# Altium PCB 1EPT0N.pcbdoc
Units mil, origin at the board's own origin, x right, y up, seen from the top; angles counter-clockwise.
Board outline 866.14 x 1328.1 mil, 4 copper layers (Top Layer, Mid-Layer 1, Mid-Layer 2, Bottom Layer), stack 63.233 mil thick; 78 components, 56 nets, 189 pads, 136 vias.
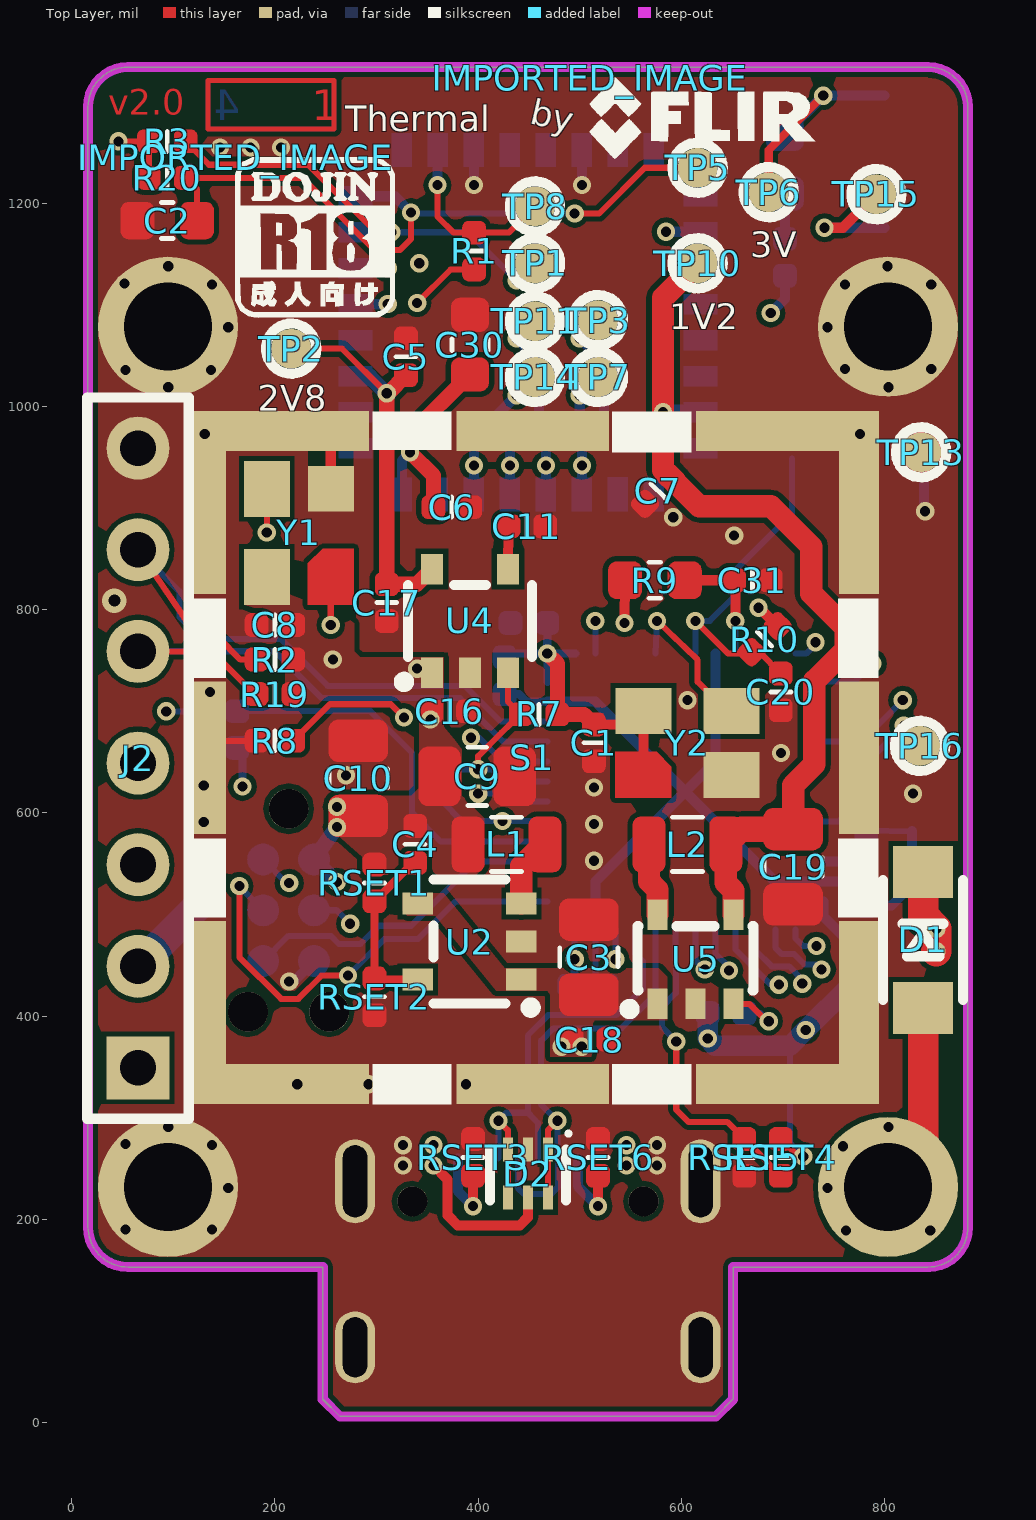
[diagram p0: Top Layer view]
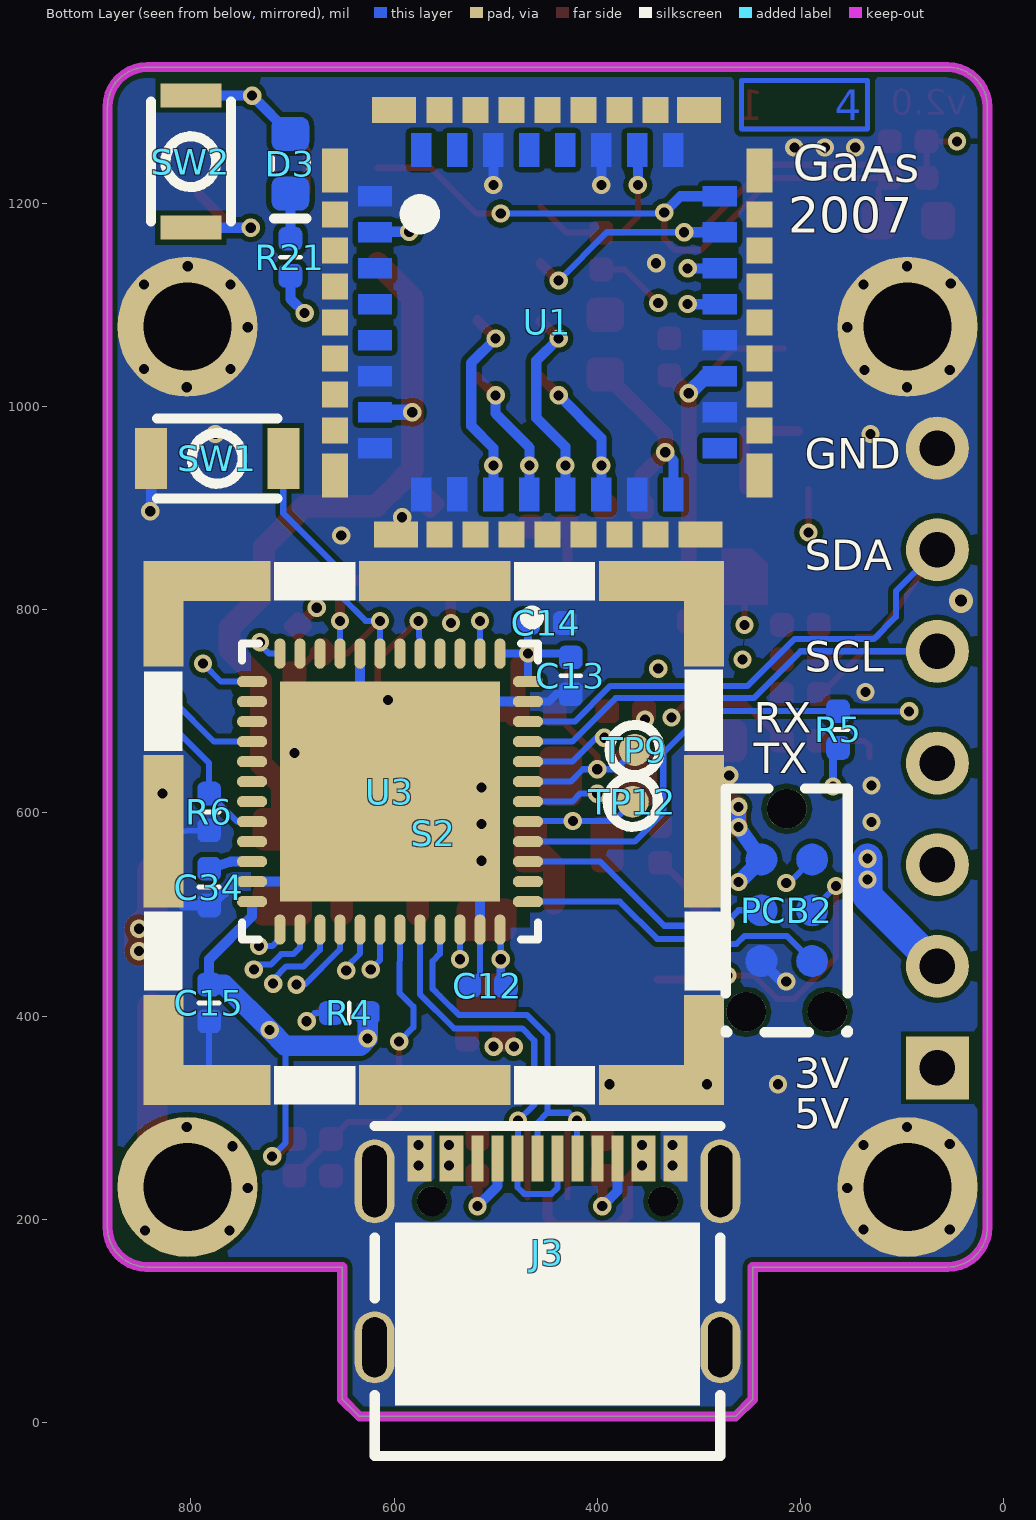
[diagram p1: Bottom Layer view, seen from below]
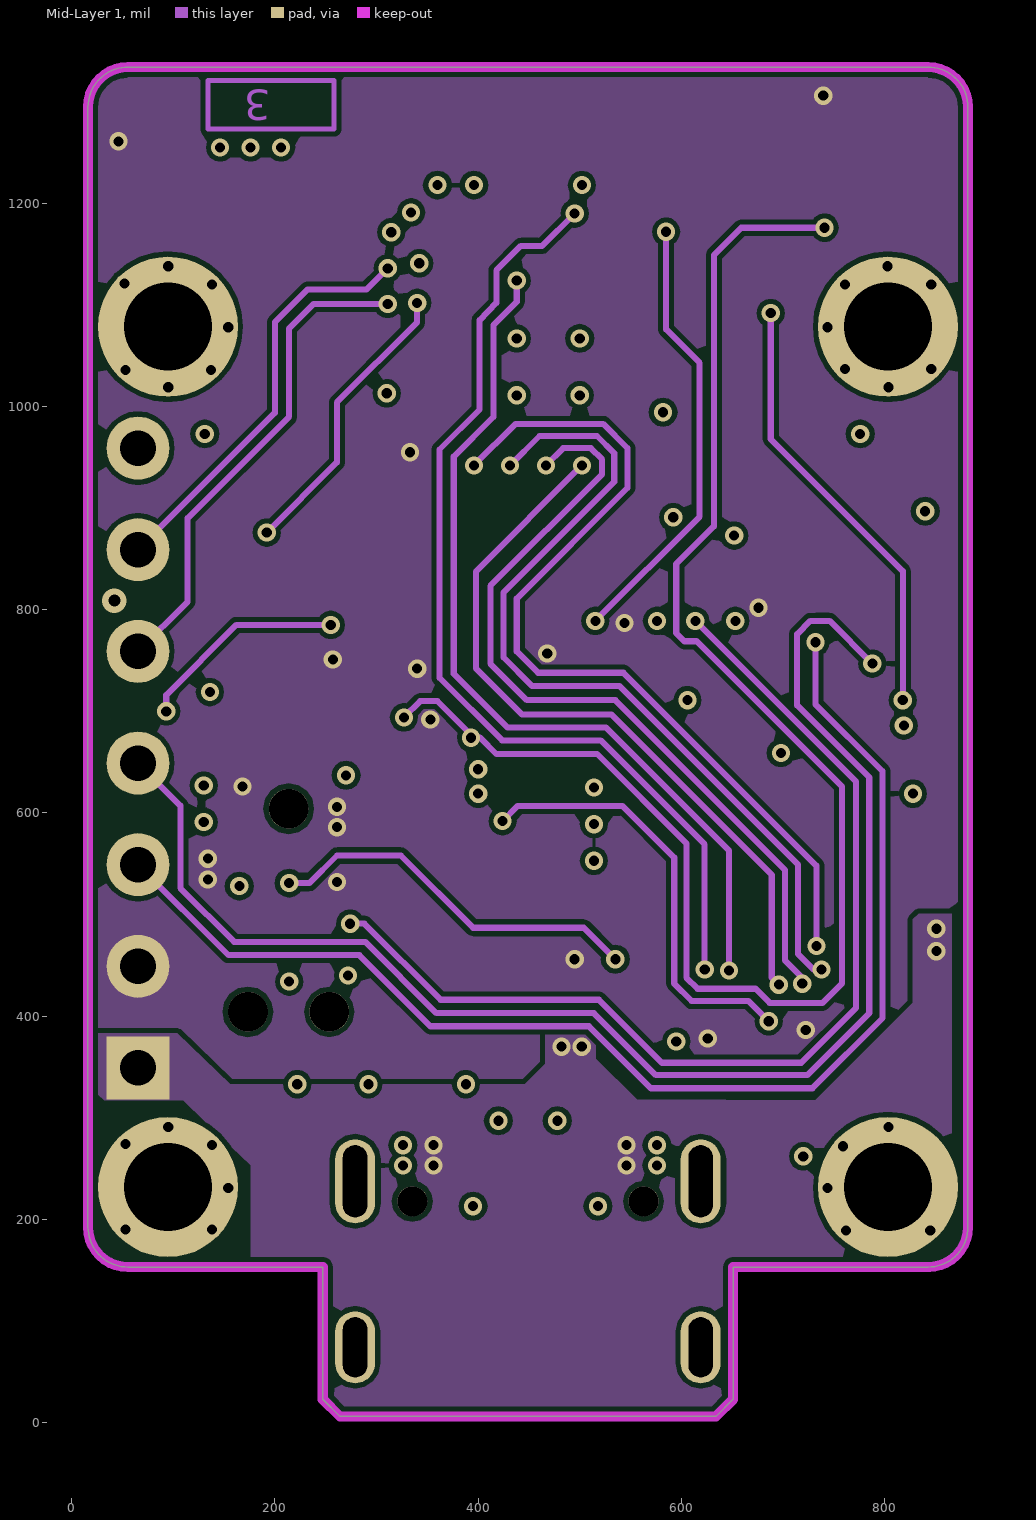
[diagram p2: Mid-Layer 1]
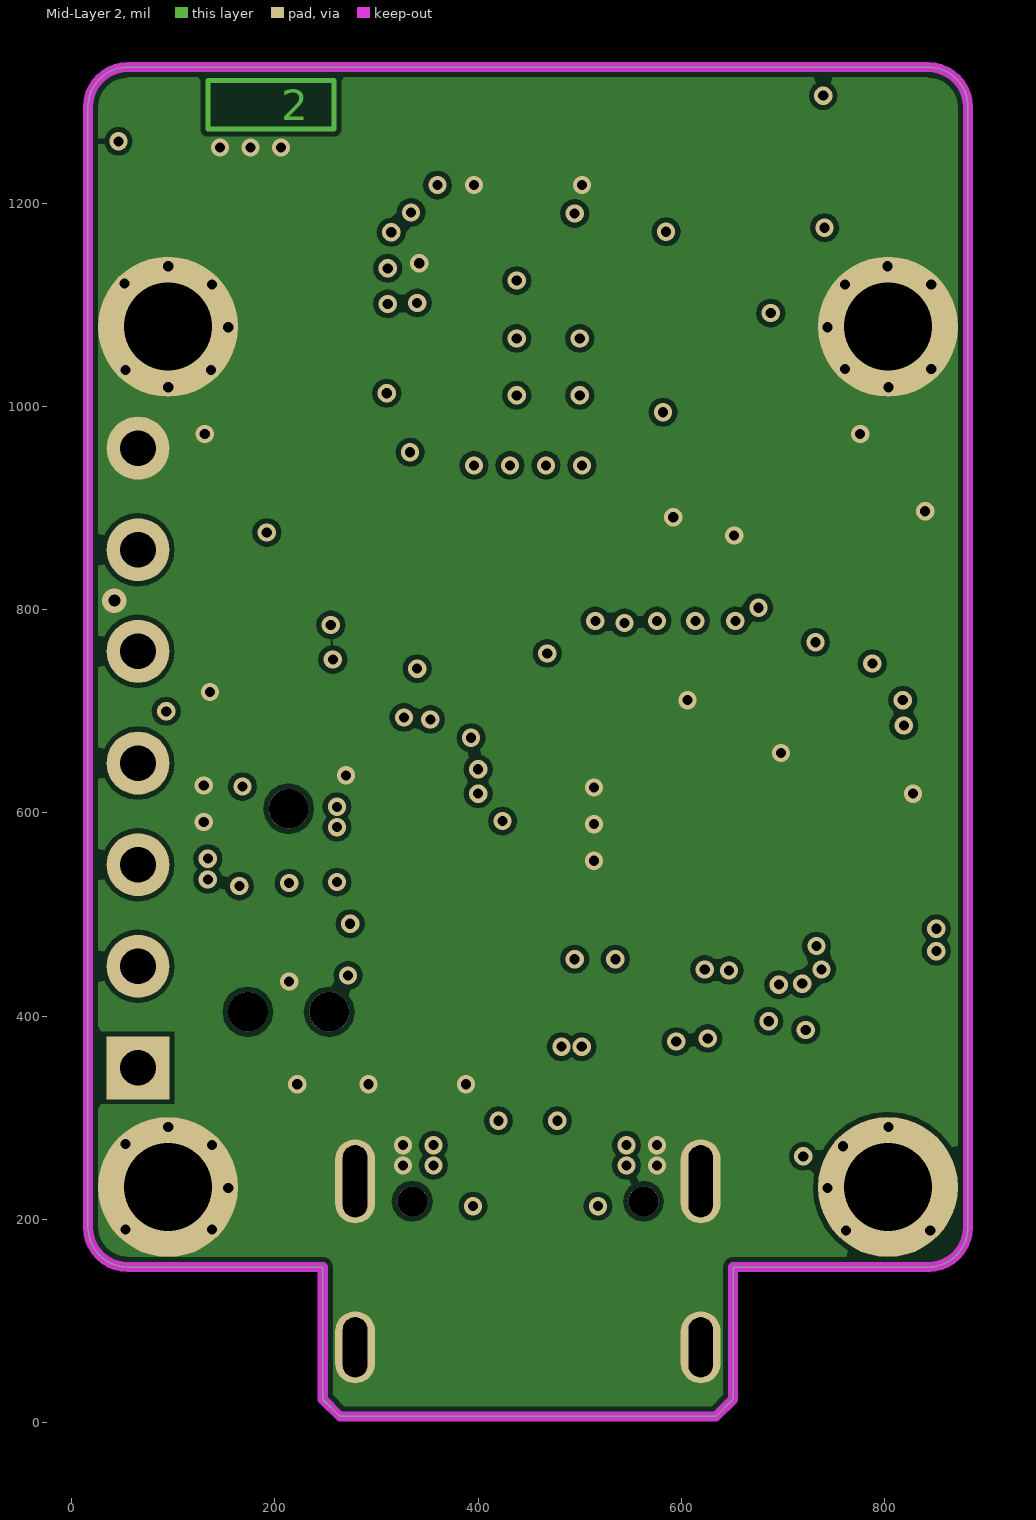
[diagram p3: Mid-Layer 2]

## Layer stack, top to bottom
Top Solder: solder mask 0.4, Solder Resist, Dk 3.5
Top Layer: signal copper 0.6889
Dielectric1: dielectric 7.874, FR-4, Dk 4.8
Mid-Layer 1: signal copper 1.4
Dielectric3: dielectric 43.3071, FR-4, Dk 4.8
Mid-Layer 2: signal copper 1.4
Dielectric2: dielectric 7.874, FR-4, Dk 4.8
Bottom Layer: signal copper 0.6889
Bottom Solder: solder mask 0.4, Solder Resist, Dk 3.5

## Board outline
55.37,153 cw(c55.37,192.37) 16,192.37 16,1294.73 cw(c55.37,1294.73) 55.37,1334.1 842.77,1334.1 cw(c842.77,1294.73) 882.14,1294.73 882.14,192.37 cw(c842.77,192.37) 842.77,153 651,153 651,23 634,6 264,6 247,23 247,153

## Design rules (kind name [scope] priority, off if disabled: settings)
Clearance [All] p1: gap=5 ignorepadtopadclearanceinfootprint=FALSE
ComponentClearance [All] p1 off: gap=0 collisioncheckmode=3 verticalgap=10 showdistances=FALSE
Height [All] p1 off: minheight=0 maxheight=1000 prefheight=500
HoleSize [All] p1: absolutevalues=TRUE maxlimit=196.85 minlimit=0.98 maxpercent=80.000 minpercent=20.000
HoleToHoleClearance [All] p1: gap=0 allowstackedmicrovias=TRUE
MinimumSolderMaskSliver [All] p1: minsoldermaskwidth=0
PolygonConnect [All] p1: connectstyle=Direct reliefconductorwidth=10 reliefentries=4 polygonreliefangle="90 Angle" airgapwidth=10
RoutingVias [All] p1: holewidth=10 width=18 viastyle="Through Hole" minholewidth=10 minwidth=18 maxholewidth=28 maxwidth=50
SilkToSilkClearance [All] p1: silktosilkclearance=0
SilkToSolderMaskClearance [IsPad] p1: minsilkscreentomaskgap=0 clearancetoexposedcopper=TRUE
SolderMaskExpansion [All] p1: expansion=4
Width [All] p1: maxlimit=50 minlimit=5 preferedwidth=5
23 further rules are at their usual default settings.

## Components (designator, comment, footprint, x,y, rotation, side; value= is the part's Value field where it differs from the comment)
C1 "0.1uF" C_0402 514,669 r270 top
C2 "1uF" C_0603 94,1183 r0 top
C3 "22uF" C_0805 509,458 r90 top
C4 "22pF" C_0402 338,569.11 r270 top
C5 "0.1uF" C_0402 329,1049 r270 top locked
C6 "0.1uF" C_0402 374.11,901 r180 top
C7 "0.1uF" C_0402 577,917 r45 top
C8 "0.1uF" C_0402 200,785 r0 top
C9 "22uf" C_0805 399,636 r0 top
C10 "22uF" C_0805 282,634.01 r90 top
C11 "0.01uF" C_0402 448,882 r0 top
C12 "0.1uF" C_0402 508,430 r180 bottom
C13 "0.1uF" C_0402 426,735 r90 bottom
C14 "0.1uF" C_0402 450,787 r0 bottom
C15 "0.1uF" C_0402 782,413 r90 bottom
C16 "1uF" C_0402 372,700 r0 top
C17 "1uF" C_0402 310,807 r270 top
C18 "10uF" C_0402 510,377 r0 top
C19 "10uF" C_0805 710,547 r270 top
C20 "0.1uF" C_0402 698,719.11 r270 top
C30 "1uF" C_0603 392,1061 r90 top
C31 "0.1uF" C_0402 670,829 r0 top
C34 "2.2uF" C_0402 782,527 r90 bottom
D1 "IN5819" SOD-123 838,475 r270 top
D2 "USBLC6-2P6" SOT-666-6_L1.6-W1.2-P0.50-LS1.6-BL 449,245 r180 top
D3 "KT-1206Red LED" R_0603 702,1239 r90 bottom
IMPORTED_IMAGE "Comment" IMPORTED_IMAGE 509.81,1323.77 r0 top
IMPORTED_IMAGE "Comment" IMPORTED_IMAGE 160.82,1245.14 r0 top
J2 "7P" 7P 65.21,649.06 r90 top locked
J3 "TYPE-C16PIN" USB3.0-TYPE-C-SMD_16PIN-H-PITCH0.50 449,167 r0 bottom locked
L1 "2.2uH" R_0805 428,569 r0 top
L2 "2.2uH" R_0805 606,569 r180 top
PCB2 "TC2030-MCP" TC2030-CTX 213.44,504.18 r90 bottom locked
R1 "0" R_0402 396,1153 r90 top
R2 "2.2K" R_0402 200,751 r180 top
R3 "100K" R_0402 94,1261 r0 top
R4 "100K" R_0402 644,403 r180 bottom
R5 "100K" R_0402 163,682.11 r270 bottom
R6 "10K" R_0402 782,601 r270 bottom
R7 "100K" R_0402 460,697 r180 top
R8 "10K" R_0402 200,671 r0 top
R9 "1R" R_0603 574,829 r180 top
R10 "10K" R_0402 682,771 r225 top
R19 "2.2K" R_0402 200,717 r180 top
R20 "10K" R_0402 94,1225 r0 top
R21 "2.2K" R_0402 702,1146.89 r90 bottom
RSET1 "302K" R_0402 298,531.11 r90 top
RSET2 "100K" R_0402 298,419 r90 top
RSET3 "NC" R_0402 395,261 r270 top
RSET4 "NC" R_0402 698,261 r90 top
RSET5 "NC" R_0402 662,261 r90 top
RSET6 "NC" R_0402 518,261 r270 top
S1 "RF_Shield_Two_Pieces" SMS202 112.46,995.52 r0 top locked
S2 "RF_Shield_Two_Pieces" SMS201F 846.71,312.45 r270 bottom locked
SW1 "1TS015A-1500-0600-CT" SW-SMD_L3.0-W2.0-LS3.5#1 774,949 r0 bottom
SW2 "1TS015A-1500-0600-CT" SW-SMD_L3.0-W2.0-LS3.5#2 800,1241 r90 bottom
TP1 "TP" TP#1 456,1141 r0 top
TP2 "TP" TP#1 216,1057 r0 top
TP3 "TP" TP#1 518,1085 r0 top
TP5 "TP" TP#1 616,1235 r0 top
TP6 "TP" TP#1 686,1211 r0 top
TP7 "TP" TP#1 518,1029 r0 top
TP8 "TP" TP#1 456,1197 r0 top
TP9 "TP" TP#2 363,662 r0 top
TP10 "TP" TP#1 616,1141 r0 top
TP11 "TP" TP#1 456,1084 r0 top
TP12 "TP" TP#2 365,611 r0 top
TP13 "TP" TP#1 836,955 r0 top
TP14 "TP" TP#1 456,1029 r0 top
TP15 "TP" TP#1 792,1209 r0 top
TP16 "TP" TP#1 835,666 r0 top
U1 "1050281001" CAM-SOCKET 449.07,1082.92 r90 bottom locked
U2 "SY8089AAAC" SOT-23-5_L3.0-W1.7-P0.95-LS2.8-BL 391.65,473.4 r90 top
U3 "STM32F401CBU6" UFQFPN-48_L7.0-W7.0-P0.50-BL-EP 604,621 r180 bottom
U4 "RT9193-28" SOT-23-5_L3.0-W1.7-P0.95-LS2.8-BL 392,789 r0 top
U5 "PAM2305AAB120" TSOT-25_L2.9-W1.6-P0.95-BL 614,457 r0 top
Y1 "25M" OSC-YSX-3225_4P#1 223.49,875.69 r90 top
Y2 "8MHz" OSC-YSX-3225_4P#2 606,669 r0 top

## Footprints (in the part's own frame and the unit in brackets; to place one, negate y for a bottom-side part, rotate by r counter-clockwise, add the part's x,y. Pads: shape width x height; smd on the part's side, far side on the other; paste and mask are expansions set on the pad)
7P [mil]
  rect 62x62 hole 35: 1(-300,0)
  round 62 hole 35: 2(-200,0) 3(-100,0) 4(0,0) 5(110,0) 6(210,0) 7(310,0)
  silkscreen extent -350,-50 360,50
C_0402 [mil]
  Top Layer region: 29.53,-5.48 29.45,-6.41 29.24,-7.32 28.88,-8.18 28.39,-8.97 27.79,-9.68 27.08,-10.28 26.29,-10.77 25.43,-11.13 24.52,-11.34 23.59,-11.42 12.63,-11.42 11.7,-11.34 10.8,-11.13 9.94,-10.77 9.14,-10.28 8.43,-9.68 7.83,-8.97 7.34,-8.18 6.98,-7.32 6.77,-6.41 6.69,-5.48 6.69,5.48 6.77,6.41 6.98,7.32 7.34,8.18 7.83,8.97 8.43,9.68 9.14,10.28 9.94,10.77 10.8,11.13 11.7,11.34 12.63,11.42 23.59,11.42 24.52,11.34 25.43,11.13 26.29,10.77 27.08,10.28 27.79,9.68 28.39,8.97 28.88,8.18 29.24,7.32 29.45,6.41 29.53,5.48
  Top Layer region: -6.69,-5.48 -6.77,-6.41 -6.98,-7.32 -7.34,-8.18 -7.83,-8.97 -8.43,-9.68 -9.14,-10.28 -9.94,-10.77 -10.8,-11.13 -11.7,-11.34 -12.63,-11.42 -23.59,-11.42 -24.52,-11.34 -25.43,-11.13 -26.29,-10.77 -27.08,-10.28 -27.79,-9.68 -28.39,-8.97 -28.88,-8.18 -29.24,-7.32 -29.45,-6.41 -29.53,-5.48 -29.53,5.48 -29.45,6.41 -29.24,7.32 -28.88,8.18 -28.39,8.97 -27.79,9.68 -27.08,10.28 -26.29,10.77 -25.43,11.13 -24.52,11.34 -23.59,11.42 -12.63,11.42 -11.7,11.34 -10.8,11.13 -9.94,10.77 -9.14,10.28 -8.43,9.68 -7.83,8.97 -7.34,8.18 -6.98,7.32 -6.77,6.41 -6.69,5.48
  silkscreen extent 0,-10 0,10
C_0603 [mil]
  Top Layer region: 45.87,-10.04 45.81,-11.04 45.63,-12.02 45.33,-12.97 44.92,-13.88 44.4,-14.74 43.79,-15.52 43.08,-16.23 42.3,-16.84 41.44,-17.36 40.53,-17.77 39.58,-18.07 38.6,-18.25 37.6,-18.31 21.06,-18.31 20.07,-18.25 19.08,-18.07 18.13,-17.77 17.22,-17.36 16.37,-16.84 15.58,-16.23 14.88,-15.52 14.26,-14.74 13.74,-13.88 13.33,-12.97 13.04,-12.02 12.86,-11.04 12.8,-10.04 12.8,10.04 12.86,11.04 13.04,12.02 13.33,12.97 13.74,13.88 14.26,14.74 14.88,15.52 15.58,16.23 16.37,16.84 17.22,17.36 18.13,17.77 19.08,18.07 20.07,18.25 21.06,18.31 37.6,18.31 38.6,18.25 39.58,18.07 40.53,17.77 41.44,17.36 42.3,16.84 43.08,16.23 43.79,15.52 44.4,14.74 44.92,13.88 45.33,12.97 45.63,12.02 45.81,11.04 45.87,10.04
  Top Layer region: -12.8,-10.04 -12.86,-11.04 -13.04,-12.02 -13.33,-12.97 -13.74,-13.88 -14.26,-14.74 -14.88,-15.52 -15.58,-16.23 -16.37,-16.84 -17.22,-17.36 -18.13,-17.77 -19.08,-18.07 -20.07,-18.25 -21.06,-18.31 -37.6,-18.31 -38.6,-18.25 -39.58,-18.07 -40.53,-17.77 -41.44,-17.36 -42.3,-16.84 -43.08,-16.23 -43.79,-15.52 -44.4,-14.74 -44.92,-13.88 -45.33,-12.97 -45.63,-12.02 -45.81,-11.04 -45.87,-10.04 -45.87,10.04 -45.81,11.04 -45.63,12.02 -45.33,12.97 -44.92,13.88 -44.4,14.74 -43.79,15.52 -43.08,16.23 -42.3,16.84 -41.44,17.36 -40.53,17.77 -39.58,18.07 -38.6,18.25 -37.6,18.31 -21.06,18.31 -20.07,18.25 -19.08,18.07 -18.13,17.77 -17.22,17.36 -16.37,16.84 -15.58,16.23 -14.88,15.52 -14.26,14.74 -13.74,13.88 -13.33,12.97 -13.04,12.02 -12.86,11.04 -12.8,10.04
  silkscreen extent -6,-18 6,18
C_0805 [mil]
  Top Layer region: -57.68,19.21 -57.63,20.18 -57.49,21.15 -57.25,22.09 -56.92,23.01 -56.51,23.89 -56.01,24.72 -55.42,25.51 -54.77,26.23 -54.05,26.88 -53.27,27.46 -52.43,27.96 -51.55,28.38 -50.64,28.71 -49.69,28.94 -48.73,29.09 -47.76,29.13 -26.26,29.13 -25.29,29.09 -24.32,28.94 -23.38,28.71 -22.46,28.38 -21.58,27.96 -20.75,27.46 -19.97,26.88 -19.24,26.23 -18.59,25.51 -18.01,24.72 -17.51,23.89 -17.09,23.01 -16.77,22.09 -16.53,21.15 -16.39,20.18 -16.34,19.21 -16.34,-19.21 -16.39,-20.18 -16.53,-21.15 -16.77,-22.09 -17.09,-23.01 -17.51,-23.89 -18.01,-24.72 -18.59,-25.51 -19.24,-26.23 -19.97,-26.88 -20.75,-27.46 -21.58,-27.96 -22.46,-28.38 -23.38,-28.71 -24.32,-28.94 -25.29,-29.09 -26.26,-29.13 -47.76,-29.13 -48.73,-29.09 -49.69,-28.94 -50.64,-28.71 -51.55,-28.38 -52.43,-27.96 -53.27,-27.46 -54.05,-26.88 -54.77,-26.23 -55.42,-25.51 -56.01,-24.72 -56.51,-23.89 -56.92,-23.01 -57.25,-22.09 -57.49,-21.15 -57.63,-20.18 -57.68,-19.21
  Top Layer region: 16.34,19.21 16.39,20.18 16.53,21.15 16.77,22.09 17.09,23.01 17.51,23.89 18.01,24.72 18.59,25.51 19.24,26.23 19.97,26.88 20.75,27.46 21.58,27.96 22.46,28.38 23.38,28.71 24.32,28.94 25.29,29.09 26.26,29.13 47.76,29.13 48.73,29.09 49.69,28.94 50.64,28.71 51.55,28.38 52.43,27.96 53.27,27.46 54.05,26.88 54.77,26.23 55.43,25.51 56.01,24.72 56.51,23.89 56.92,23.01 57.25,22.09 57.49,21.15 57.63,20.18 57.68,19.21 57.68,-19.21 57.63,-20.18 57.49,-21.15 57.25,-22.09 56.92,-23.01 56.51,-23.89 56.01,-24.72 55.43,-25.51 54.77,-26.23 54.05,-26.88 53.27,-27.46 52.43,-27.96 51.55,-28.38 50.64,-28.71 49.69,-28.94 48.73,-29.09 47.76,-29.13 26.26,-29.13 25.29,-29.09 24.32,-28.94 23.38,-28.71 22.46,-28.38 21.58,-27.96 20.75,-27.46 19.97,-26.88 19.24,-26.23 18.59,-25.51 18.01,-24.72 17.51,-23.89 17.09,-23.01 16.77,-22.09 16.53,-21.15 16.39,-20.18 16.34,-19.21
  silkscreen extent -9,-29 9,29
CAM-SOCKET [mm]
  rect 0.65x1.1 smd: SHIELD(-5.305,-3.83) SHIELD(-5.305,3.79) SHIELD(5.305,-3.79) SHIELD(5.305,3.83)
  rect 0.65x0.65 smd: SHIELD(-5.305,-2.7) SHIELD(-5.305,-1.8) SHIELD(-5.305,-0.9) SHIELD(-5.305,0) SHIELD(-5.305,0.9) SHIELD(-5.305,1.8) SHIELD(-5.305,2.7) SHIELD(-2.7,-5.305) SHIELD(-2.7,5.305) SHIELD(-1.8,-5.305) SHIELD(-1.8,5.305) SHIELD(-0.9,-5.305) SHIELD(-0.9,5.305) SHIELD(0,-5.305) SHIELD(0,5.305) SHIELD(0.9,-5.305) SHIELD(0.9,5.305) SHIELD(1.8,-5.305) SHIELD(1.8,5.305) SHIELD(2.7,-5.305) SHIELD(2.7,5.305) SHIELD(5.305,-2.7) SHIELD(5.305,-1.8) SHIELD(5.305,-0.9) SHIELD(5.305,0) SHIELD(5.305,0.9) SHIELD(5.305,1.8) SHIELD(5.305,2.7)
  rect 1.1x0.65 smd: SHIELD(-3.83,-5.305) SHIELD(-3.83,5.305) SHIELD(3.79,-5.305) SHIELD(3.79,5.305)
  Top Layer region: -3.4,-4.73 -3.4,-3.89 -2.9,-3.89 -2.9,-4.73
  Top Layer region: -2.5,-4.73 -2.5,-3.89 -2,-3.89 -2,-4.73
  Top Layer region: -1.6,-4.73 -1.6,-3.89 -1.1,-3.89 -1.1,-4.73
  Top Layer region: -0.7,-4.73 -0.7,-3.89 -0.2,-3.89 -0.2,-4.73
  Top Layer region: 0.2,-4.73 0.2,-3.89 0.7,-3.89 0.7,-4.73
  Top Layer region: 1.1,-4.73 1.1,-3.89 1.6,-3.89 1.6,-4.73
  Top Layer region: 2,-4.73 2,-3.89 2.5,-3.89 2.5,-4.73
  Top Layer region: 2.9,-4.73 2.9,-3.89 3.4,-3.89 3.4,-4.73
  Top Layer region: 3.89,-3.4 3.89,-2.9 4.73,-2.9 4.73,-3.4
  Top Layer region: 3.89,-2.5 3.89,-2 4.73,-2 4.73,-2.5
  Top Layer region: 3.89,-1.6 3.89,-1.1 4.73,-1.1 4.73,-1.6
  Top Layer region: 3.89,-0.7 3.89,-0.2 4.73,-0.2 4.73,-0.7
  Top Layer region: 3.89,0.2 3.89,0.7 4.73,0.7 4.73,0.2
  Top Layer region: 3.89,1.1 3.89,1.6 4.73,1.6 4.73,1.1
  Top Layer region: 3.89,2 3.89,2.5 4.73,2.5 4.73,2
  Top Layer region: 3.89,2.9 3.89,3.4 4.73,3.4 4.73,2.9
  Top Layer region: -4.73,-3.4 -4.73,-2.9 -3.89,-2.9 -3.89,-3.4
  Top Layer region: -4.73,-2.5 -4.73,-2 -3.89,-2 -3.89,-2.5
  Top Layer region: -4.73,-1.6 -4.73,-1.1 -3.89,-1.1 -3.89,-1.6
  Top Layer region: -4.73,-0.7 -4.73,-0.2 -3.89,-0.2 -3.89,-0.7
  Top Layer region: -4.73,0.2 -4.73,0.7 -3.89,0.7 -3.89,0.2
  Top Layer region: -4.73,1.1 -4.73,1.6 -3.89,1.6 -3.89,1.1
  Top Layer region: -4.72,2 -4.72,2.5 -3.88,2.5 -3.88,2
  Top Layer region: -4.73,2.9 -4.73,3.4 -3.89,3.4 -3.89,2.9
  Top Layer region: -3.4,3.89 -3.4,4.73 -2.9,4.73 -2.9,3.89
  Top Layer region: -2.5,3.89 -2.5,4.73 -2,4.73 -2,3.89
  Top Layer region: -1.6,3.89 -1.6,4.73 -1.1,4.73 -1.1,3.89
  Top Layer region: -0.7,3.89 -0.7,4.73 -0.2,4.73 -0.2,3.89
  Top Layer region: 0.2,3.89 0.2,4.73 0.7,4.73 0.7,3.89
  Top Layer region: 1.1,3.89 1.1,4.73 1.6,4.73 1.6,3.89
  Top Layer region: 2,3.89 2,4.73 2.5,4.73 2.5,3.89
  Top Layer region: 2.9,3.89 2.9,4.73 3.4,4.73 3.4,3.89
  silkscreen extent 2.2,2.69 3.2,3.69